# Altium PCB CHAHARDOLI-7 ADAD METAL.PcbDoc (part 9 of 11) (continued)
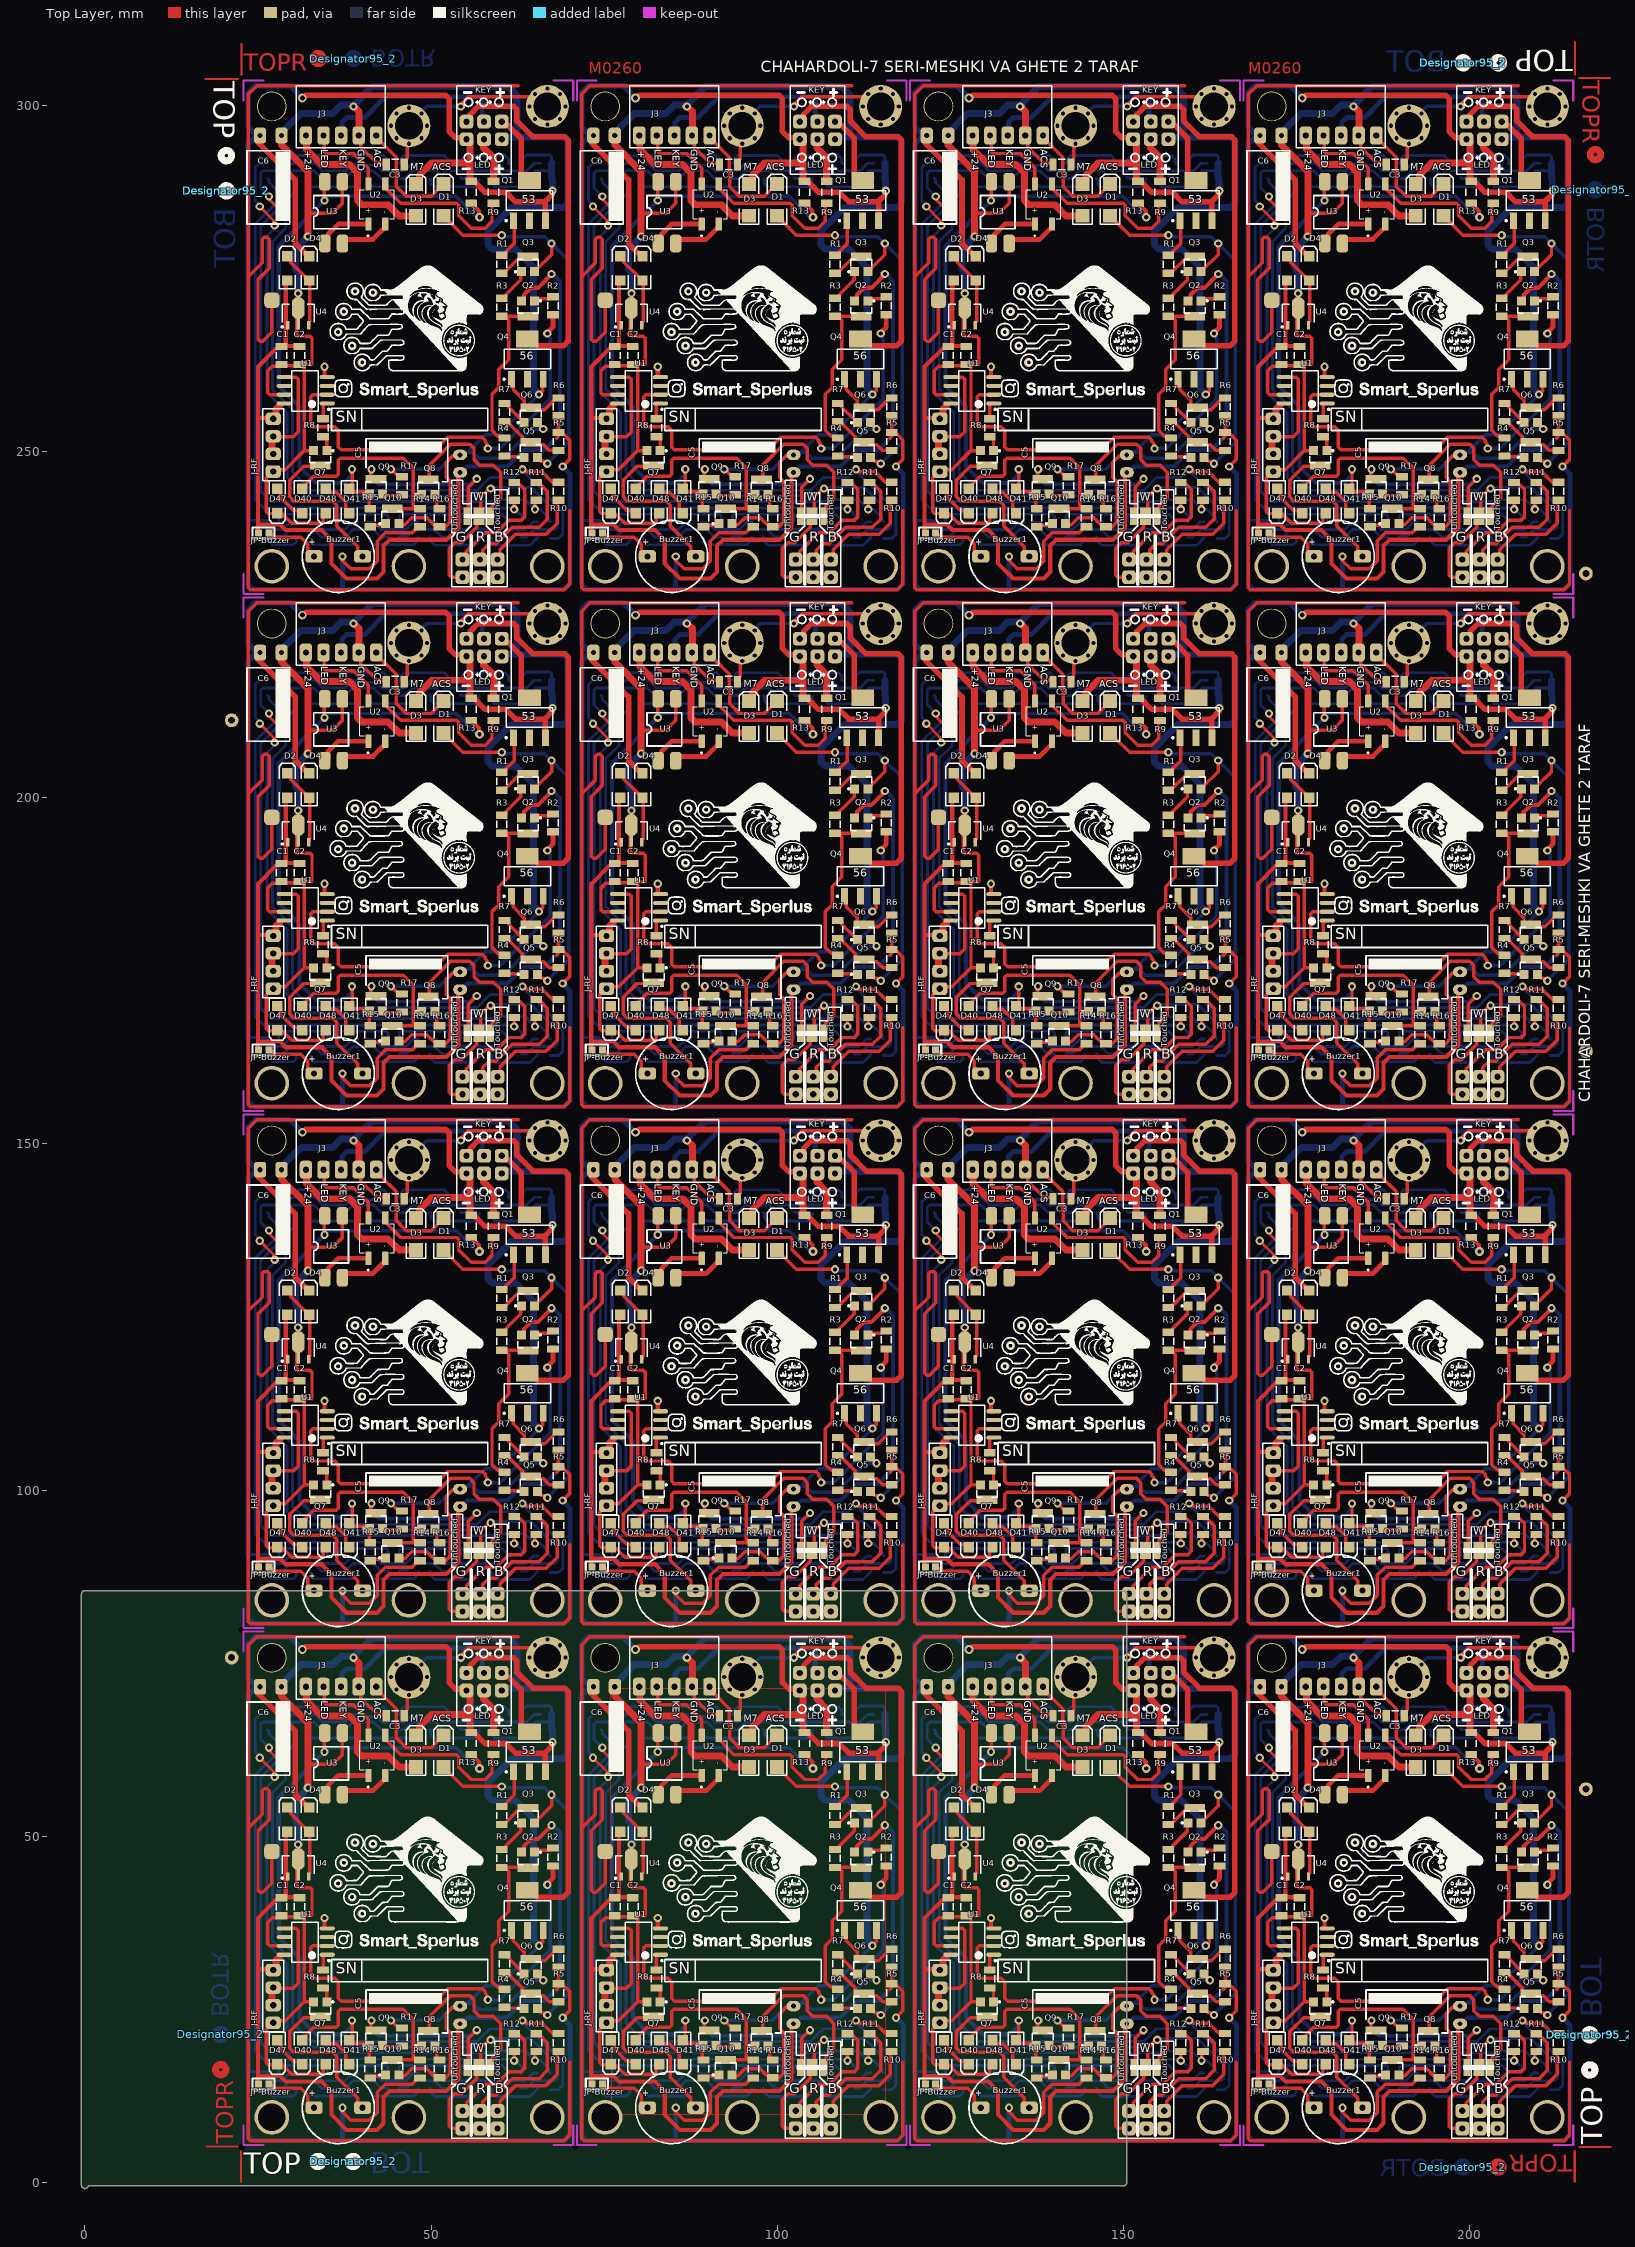
[diagram p0: Top Layer view]
## Nets (pads, with @x,y where several pads share a name; then routed paths per layer and width w, separated by ;. In a path a pad name is that pad's centre, name@x,y a point inside that pad or via, vN(x,y) a via of type N, cw(c..) or ccw(c..) an arc to the next point about the centre after c; other vN are vias at no path point) (continued)
76.391,166.276 82.911,166.276 83.145,166.042 83.145,165.176 ; 76.157,239.864 76.157,240.73 76.391,240.964 82.911,240.964 83.145,240.73 83.145,239.864 ; 76.183,67.6 76.383,67.8 76.383,68.238 76.845,68.7 82.445,68.7 82.933,68.212 82.933,67.8 83.133,67.6 ; 76.183,142.288 76.383,142.488 76.383,142.926 76.845,143.388 82.445,143.388 82.933,142.9 82.933,142.488 83.133,142.288 ; 76.183,216.976 76.383,217.176 76.383,217.614 76.845,218.076 82.445,218.076 82.933,217.588 82.933,217.176 83.133,216.976 ; 76.183,291.664 76.383,291.864 76.383,292.303 76.845,292.764 82.445,292.764 82.933,292.276 82.933,291.864 83.133,291.664 ; 76.377,65.593 76.382,65.599 77.144,65.599 78.045,66.5 81.245,66.5 82.345,65.4 82.733,65.4 ; 76.377,140.281 76.382,140.287 77.144,140.287 78.045,141.188 81.245,141.188 82.345,140.088 82.733,140.088 ; 76.377,214.97 76.382,214.975 77.144,214.975 78.045,215.876 81.245,215.876 82.345,214.776 82.733,214.776 ; 76.377,289.658 76.382,289.663 77.144,289.663 78.045,290.564 81.245,290.564 82.345,289.464 82.733,289.464 ; v1(76.745,60) 76.745,59.784 77.145,59.384 77.145,58.2 75.245,56.3 75.245,34.9 78.145,32 78.145,23 80.795,20.35 104.792,20.35 106.642,22.2 110.184,22.2 v1@111.345,23.362 ; v1(76.745,134.688) 76.745,134.472 77.145,134.072 77.145,132.888 75.245,130.988 75.245,109.588 78.145,106.688 78.145,97.688 80.795,95.038 104.792,95.038 106.642,96.888 110.184,96.888 v1@111.345,98.05 ; v1(76.745,209.376) 76.745,209.16 77.145,208.76 77.145,207.576 75.245,205.676 75.245,184.276 78.145,181.376 78.145,172.376 80.795,169.726 104.792,169.726 106.642,171.576 110.184,171.576 v1@111.345,172.738 ; v1(76.745,284.064) 76.745,283.848 77.145,283.448 77.145,282.264 75.245,280.364 75.245,258.964 78.145,256.064 78.145,247.064 80.795,244.414 104.792,244.414 106.642,246.264 110.184,246.264 v1@111.345,247.426 ; 78.733,65.4 78.565,65.232 78.565,63.517 73.545,58.497 73.545,20.22 75.015,18.75 107.295,18.75 107.545,19 111.745,19 v1(113.145,17.6) 113.945,17.6 115.157,16.388 115.157,16 115.357,15.8 ; 78.733,140.088 78.565,139.92 78.565,138.205 73.545,133.185 73.545,94.908 75.015,93.438 107.295,93.438 107.545,93.688 111.745,93.688 v1(113.145,92.288) 113.945,92.288 115.157,91.076 115.157,90.688 115.357,90.488 ; 78.733,214.776 78.565,214.608 78.565,212.893 73.545,207.873 73.545,169.596 75.015,168.126 107.295,168.126 107.545,168.376 111.745,168.376 v1(113.145,166.976) 113.945,166.976 115.157,165.764 115.157,165.376 115.357,165.176 ; 78.733,289.464 78.565,289.296 78.565,287.581 73.545,282.561 73.545,244.284 75.015,242.814 107.295,242.814 107.545,243.064 111.745,243.064 v1(113.145,241.664) 113.945,241.664 115.157,240.453 115.157,240.064 115.357,239.864 ; 80.383,67.6 81.385,67.6 82.485,66.5 85.753,66.5 86.768,67.514 87.448,67.514 87.533,67.6 ; 80.383,142.288 81.385,142.288 82.485,141.188 85.753,141.188 86.768,142.202 87.448,142.202 87.533,142.288 ; 80.383,216.976 81.385,216.976 82.485,215.876 85.753,215.876 86.768,216.89 87.447,216.89 87.533,216.976 ; 80.383,291.664 81.385,291.664 82.485,290.564 85.753,290.564 86.768,291.579 87.447,291.579 87.533,291.664 ; 80.411,65.173 80.411,64.534 80.745,64.2 86.945,64.2 87.365,64.62 87.365,65.208 87.545,65.388 ; 80.411,139.861 80.411,139.222 80.745,138.888 86.945,138.888 87.365,139.308 87.365,139.896 87.545,140.077 ; 80.411,214.549 80.411,213.911 80.745,213.576 86.945,213.576 87.365,213.996 87.365,214.584 87.545,214.765 ; 80.411,289.237 80.411,288.599 80.745,288.264 86.945,288.264 87.365,288.684 87.365,289.273 87.545,289.453 ; 80.569,15.6 80.669,15.5 81.549,15.5 82.349,14.7 85.714,14.7 86.514,15.5 87.307,15.5 87.519,15.712 87.519,15.8 ; 80.569,90.288 80.669,90.188 81.549,90.188 82.349,89.388 85.714,89.388 86.514,90.188 87.307,90.188 87.519,90.4 87.519,90.488 ; 80.569,164.976 80.669,164.876 81.549,164.876 82.349,164.076 85.714,164.076 86.514,164.876 87.307,164.876 87.519,165.088 87.519,165.176 ; 80.569,239.664 80.669,239.564 81.549,239.564 82.349,238.764 85.714,238.764 86.514,239.564 87.307,239.564 87.519,239.776 87.519,239.864 ; 80.669,13.4 80.769,13.3 80.769,12.976 81.245,12.5 86.845,12.5 87.307,12.962 87.307,13.331 87.545,13.569 ; 80.669,88.088 80.769,87.988 80.769,87.665 81.245,87.188 86.845,87.188 87.307,87.65 87.307,88.019 87.545,88.258 ; 80.669,162.776 80.769,162.676 80.769,162.353 81.245,161.876 86.845,161.876 87.307,162.338 87.307,162.707 87.545,162.946 ; 80.669,237.464 80.769,237.364 80.769,237.041 81.245,236.564 86.845,236.564 87.307,237.026 87.307,237.396 87.545,237.634 ; 84.757,13.6 85.745,13.6 86.845,14.7 88.508,14.7 89.805,14.7 90.905,13.6 91.907,13.6 ; 84.757,88.288 85.745,88.288 86.845,89.388 88.508,89.388 89.805,89.388 90.905,88.288 91.907,88.288 ; 84.757,162.976 85.745,162.976 86.845,164.076 88.508,164.076 89.805,164.076 90.905,162.976 91.907,162.976 ; 84.757,237.664 85.745,237.664 86.845,238.764 88.508,238.764 89.805,238.764 90.905,237.664 91.907,237.664 ; 84.783,214.864 84.896,214.864 84.983,214.776 85.785,214.776 86.885,215.876 89.845,215.876 90.945,214.776 91.933,214.776 ; 84.783,216.976 84.983,217.176 84.983,217.614 85.445,218.076 91.245,218.076 91.733,217.588 91.733,217.176 91.933,216.976 ; 84.783,289.552 84.896,289.552 84.983,289.464 85.785,289.464 86.885,290.564 89.845,290.564 90.945,289.464 91.933,289.464 ; 84.783,291.664 84.983,291.864 84.983,292.303 85.445,292.764 91.245,292.764 91.733,292.276 91.733,291.864 91.933,291.664 ; 84.783,65.488 84.896,65.488 84.983,65.4 85.785,65.4 86.885,66.5 89.845,66.5 90.945,65.4 91.933,65.4 ; 84.783,67.6 84.983,67.8 84.983,68.238 85.445,68.7 91.245,68.7 91.733,68.212 91.733,67.8 91.933,67.6 ; 84.783,140.176 84.896,140.176 84.983,140.088 85.785,140.088 86.885,141.188 89.845,141.188 90.945,140.088 91.933,140.088 ; 84.783,142.288 84.983,142.488 84.983,142.926 85.445,143.388 91.245,143.388 91.733,142.9 91.733,142.488 91.933,142.288 ; 84.795,15.8 84.795,16.666 85.029,16.9 91.673,16.9 91.907,16.666 91.907,15.8 ; 84.795,90.488 84.795,91.354 85.029,91.588 91.673,91.588 91.907,91.354 91.907,90.488 ; 84.795,165.176 84.795,166.042 85.029,166.276 91.673,166.276 91.907,166.042 91.907,165.176 ; 84.795,239.864 84.795,240.73 85.029,240.964 91.673,240.964 91.907,240.73 91.907,239.864 ; 88.957,15.8 89.043,15.714 ; 88.957,90.488 89.043,90.402 ; 88.957,165.176 89.043,165.09 ; 88.957,239.864 89.043,239.779 ; 88.983,67.3 90.245,67.3 91.045,66.5 94.314,66.5 95.409,67.596 96.341,67.596 ; 88.983,141.988 90.245,141.988 91.045,141.188 94.314,141.188 95.409,142.284 96.341,142.284 ; 88.983,216.676 90.245,216.676 91.045,215.876 94.314,215.876 95.409,216.972 96.341,216.972 ; 88.983,291.364 90.245,291.364 91.045,290.564 94.314,290.564 95.409,291.66 96.341,291.66 ; 89.169,13.6 89.357,13.412 89.357,12.988 89.845,12.5 95.645,12.5 96.107,12.962 96.107,13.3 96.327,13.52 96.344,13.52 ; 89.169,88.288 89.357,88.1 89.357,87.676 89.845,87.188 95.645,87.188 96.107,87.65 96.107,87.988 96.327,88.208 96.344,88.208 ; 89.169,162.976 89.357,162.788 89.357,162.364 89.845,161.876 95.645,161.876 96.107,162.338 96.107,162.676 96.327,162.897 96.344,162.897 ; 89.169,237.664 89.357,237.476 89.357,237.053 89.845,236.564 95.645,236.564 96.107,237.026 96.107,237.364 96.327,237.585 96.344,237.585 ; 89.183,65.4 89.345,65.238 89.345,64.6 89.745,64.2 95.745,64.2 96.145,64.6 96.145,65.1 96.277,65.232 96.365,65.232 ; 89.183,140.088 89.345,139.926 89.345,139.288 89.745,138.888 95.745,138.888 96.145,139.288 96.145,139.788 96.277,139.92 96.365,139.92 ; 89.183,214.776 89.345,214.614 89.345,213.976 89.745,213.576 95.745,213.576 96.145,213.976 96.145,214.476 96.277,214.608 96.365,214.608 ; 89.183,289.464 89.345,289.303 89.345,288.664 89.745,288.264 95.745,288.264 96.145,288.664 96.145,289.164 96.277,289.296 96.365,289.296 ; 89.243,15.714 89.923,15.714 90.937,14.7 94.527,14.7 95.627,15.8 96.307,15.8 ; 89.243,90.402 89.923,90.402 90.937,89.388 94.527,89.388 95.627,90.488 96.307,90.488 ; 89.243,165.09 89.923,165.09 90.937,164.076 94.527,164.076 95.627,165.176 96.307,165.176 ; 89.243,239.779 89.923,239.779 90.937,238.764 94.527,238.764 95.627,239.864 96.307,239.864 ; 93.557,13.6 93.721,13.764 94.723,13.764 95.658,14.7 97.826,14.7 98.605,14.7 99.702,13.604 100.703,13.604 100.707,13.6 ; 93.557,15.8 93.557,16.666 93.791,16.9 100.473,16.9 100.707,16.666 100.707,15.8 ; 93.557,88.288 93.721,88.452 94.723,88.452 95.658,89.388 97.826,89.388 98.605,89.388 99.702,88.292 100.703,88.292 100.707,88.288 ; 93.557,90.488 93.557,91.354 93.791,91.588 100.473,91.588 100.707,91.354 100.707,90.488 ; 93.557,162.976 93.721,163.14 94.723,163.14 95.658,164.076 97.826,164.076 98.605,164.076 99.702,162.98 100.703,162.98 100.707,162.976 ; 93.557,165.176 93.557,166.042 93.791,166.276 100.473,166.276 100.707,166.042 100.707,165.176 ; 93.557,237.664 93.721,237.829 94.723,237.829 95.658,238.764 97.826,238.764 98.605,238.764 99.702,237.668 100.703,237.668 100.707,237.664 ; 93.557,239.864 93.557,240.73 93.791,240.964 100.473,240.964 100.707,240.73 100.707,239.864 ; 93.583,65.4 93.587,65.404 94.349,65.404 95.445,66.5 98.845,66.5 99.945,65.4 100.733,65.4 ; 93.583,67.6 93.783,67.8 93.783,68.238 94.245,68.7 100.045,68.7 100.533,68.212 100.533,67.8 100.733,67.6 ; 93.583,140.088 93.587,140.092 94.349,140.092 95.445,141.188 98.845,141.188 99.945,140.088 100.733,140.088 ; 93.583,142.288 93.783,142.488 93.783,142.926 94.245,143.388 100.045,143.388 100.533,142.9 100.533,142.488 100.733,142.288 ; 93.583,214.776 93.587,214.78 94.349,214.78 95.445,215.876 98.845,215.876 99.945,214.776 100.733,214.776 ; 93.583,216.976 93.783,217.176 93.783,217.614 94.245,218.076 100.045,218.076 100.533,217.588 100.533,217.176 100.733,216.976 ; 93.583,289.464 93.587,289.468 94.349,289.468 95.445,290.564 98.845,290.564 99.945,289.464 100.733,289.464 ; 93.583,291.664 93.783,291.864 93.783,292.303 94.245,292.764 100.045,292.764 100.533,292.276 100.533,291.864 100.733,291.664 ; 97.957,13.6 98.157,13.4 98.157,12.988 98.745,12.4 104.345,12.4 104.907,12.962 104.907,13.469 105.145,13.707 ; 97.957,15.8 98.745,15.8 99.845,14.7 103.245,14.7 104.345,15.8 104.707,15.8 ; 97.957,88.288 98.157,88.088 98.157,87.676 98.745,87.088 104.345,87.088 104.907,87.65 104.907,88.157 105.145,88.395 ; 97.957,90.488 98.745,90.488 99.845,89.388 103.245,89.388 104.345,90.488 104.707,90.488 ; 97.957,162.976 98.157,162.776 98.157,162.364 98.745,161.776 104.345,161.776 104.907,162.338 104.907,162.845 105.145,163.083 ; 97.957,165.176 98.745,165.176 99.845,164.076 103.245,164.076 104.345,165.176 104.707,165.176 ; 97.957,237.664 98.157,237.464 98.157,237.053 98.745,236.464 104.345,236.464 104.907,237.026 104.907,237.533 105.145,237.772 ; 97.957,239.864 98.745,239.864 99.845,238.764 103.245,238.764 104.345,239.864 104.707,239.864 ; 97.983,65.4 98.145,65.238 98.145,64.6 98.545,64.2 104.545,64.2 104.965,64.62 104.965,65.132 105.117,65.284 ; 97.983,140.088 98.145,139.926 98.145,139.288 98.545,138.888 104.545,138.888 104.965,139.308 104.965,139.82 105.117,139.972 ; 97.983,214.776 98.145,214.614 98.145,213.976 98.545,213.576 104.545,213.576 104.965,213.996 104.965,214.508 105.117,214.66 ; 97.983,289.464 98.145,289.303 98.145,288.664 98.545,288.264 104.545,288.264 104.965,288.684 104.965,289.196 105.117,289.348 ; 98.183,67.6 98.187,67.596 98.949,67.596 100.045,66.5 103.353,66.5 104.153,67.3 104.933,67.3 105.264,67.63 ; 98.183,142.288 98.187,142.284 98.949,142.284 100.045,141.188 103.353,141.188 104.153,141.988 104.933,141.988 105.264,142.318 ; 98.183,216.976 98.187,216.972 98.949,216.972 100.045,215.876 103.353,215.876 104.153,216.676 104.933,216.676 105.264,217.006 ; 98.183,291.664 98.187,291.66 98.949,291.66 100.045,290.564 103.353,290.564 104.153,291.364 104.933,291.364 105.264,291.695 ; 102.357,13.6 103.358,13.6 104.458,14.7 107.445,14.7 108.545,13.6 109.507,13.6 ; 102.357,15.8 102.44,15.883 102.44,16.666 102.674,16.9 108.407,16.9 109.207,16.1 109.307,16.1 109.507,15.9 109.507,15.8 ; 102.357,88.288 103.358,88.288 104.458,89.388 107.445,89.388 108.545,88.288 109.507,88.288 ; 102.357,90.488 102.44,90.571 102.44,91.354 102.674,91.588 108.407,91.588 109.207,90.788 109.307,90.788 109.507,90.588 109.507,90.488 ; 102.357,162.976 103.358,162.976 104.458,164.076 107.445,164.076 108.545,162.976 109.507,162.976 ; 102.357,165.176 102.44,165.259 102.44,166.042 102.674,166.276 108.407,166.276 109.207,165.476 109.307,165.476 109.507,165.276 109.507,165.176 ; 102.357,237.664 103.358,237.664 104.458,238.764 107.445,238.764 108.545,237.664 109.507,237.664 ; 102.357,239.864 102.44,239.947 102.44,240.73 102.674,240.964 108.407,240.964 109.207,240.164 109.307,240.164 109.507,239.964 109.507,239.864 ; 102.383,67.6 102.583,67.8 102.583,68.238 103.045,68.7 108.845,68.7 109.333,68.212 109.333,67.6 109.417,67.516 ; 102.383,142.288 102.583,142.488 102.583,142.926 103.045,143.388 108.845,143.388 109.333,142.9 109.333,142.288 109.417,142.204 ; 102.383,216.976 102.583,217.176 102.583,217.614 103.045,218.076 108.845,218.076 109.333,217.588 109.333,216.976 109.417,216.892 ; 102.383,291.664 102.583,291.864 102.583,292.303 103.045,292.764 108.845,292.764 109.333,292.276 109.333,291.664 109.417,291.58 ; 102.387,65.504 102.479,65.504 102.583,65.4 103.385,65.4 104.485,66.5 107.753,66.5 108.653,65.6 109.333,65.6 109.533,65.4 ; 102.387,140.192 102.479,140.192 102.583,140.088 103.385,140.088 104.485,141.188 107.753,141.188 108.653,140.288 109.333,140.288 109.533,140.088 ; 102.387,214.88 102.479,214.88 102.583,214.776 103.385,214.776 104.485,215.876 107.753,215.876 108.653,214.976 109.333,214.976 109.533,214.776 ; 102.387,289.568 102.479,289.568 102.583,289.464 103.385,289.464 104.485,290.564 107.753,290.564 108.653,289.664 109.333,289.664 109.533,289.464 ; 106.757,13.6 106.957,13.4 106.957,12.988 107.545,12.4 112.407,12.4 113.507,13.5 113.507,13.6 ; 106.757,15.8 107.745,15.8 108.845,14.7 111.805,14.7 112.905,15.8 113.507,15.8 ; 106.757,88.288 106.957,88.088 106.957,87.676 107.545,87.088 112.407,87.088 113.507,88.188 113.507,88.288 ; 106.757,90.488 107.745,90.488 108.845,89.388 111.805,89.388 112.905,90.488 113.507,90.488 ; 106.757,162.976 106.957,162.776 106.957,162.364 107.545,161.776 112.407,161.776 113.507,162.876 113.507,162.976 ; 106.757,165.176 107.745,165.176 108.845,164.076 111.805,164.076 112.905,165.176 113.507,165.176 ; 106.757,237.664 106.957,237.464 106.957,237.053 107.545,236.464 112.407,236.464 113.507,237.564 113.507,237.664 ; 106.757,239.864 107.745,239.864 108.845,238.764 111.805,238.764 112.905,239.864 113.507,239.864 ; 106.783,65.4 106.938,65.245 106.938,64.607 107.345,64.2 113.345,64.2 113.765,64.62 113.765,65.29 113.945,65.47 ; 106.783,67.4 106.983,67.6 107.785,67.6 108.885,66.5 111.953,66.5 113.053,67.6 113.933,67.6 ; 106.783,140.088 106.938,139.933 106.938,139.295 107.345,138.888 113.345,138.888 113.765,139.308 113.765,139.978 113.945,140.158 ; 106.783,142.088 106.983,142.288 107.785,142.288 108.885,141.188 111.953,141.188 113.053,142.288 113.933,142.288 ; 106.783,214.776 106.938,214.621 106.938,213.983 107.345,213.576 113.345,213.576 113.765,213.996 113.765,214.666 113.945,214.846 ; 106.783,216.776 106.983,216.976 107.785,216.976 108.885,215.876 111.953,215.876 113.053,216.976 113.933,216.976 ; 106.783,289.464 106.938,289.309 106.938,288.671 107.345,288.264 113.345,288.264 113.765,288.684 113.765,289.354 113.945,289.534 ; 106.783,291.464 106.983,291.664 107.785,291.664 108.885,290.564 111.953,290.564 113.053,291.664 113.933,291.664 ; v1@106.801,20.544 107.056,20.8 112.545,20.8 116.357,16.988 116.357,15.051 116.005,14.7 113.008,14.7 111.908,13.6 111.157,13.6 ; v1@106.801,95.232 107.056,95.488 112.545,95.488 116.357,91.676 116.357,89.74 116.005,89.388 113.008,89.388 111.908,88.288 111.157,88.288 ; v1@106.801,169.921 107.056,170.176 112.545,170.176 116.357,166.364 116.357,164.428 116.005,164.076 113.008,164.076 111.908,162.976 111.157,162.976 ; v1@106.801,244.609 107.056,244.864 112.545,244.864 116.357,241.053 116.357,239.116 116.005,238.764 113.008,238.764 111.908,237.664 111.157,237.664 ; 111.183,67.6 111.383,67.8 111.383,68.238 111.945,68.8 115.311,68.8 115.545,68.566 115.545,67.638 115.583,67.6 ; 111.183,142.288 111.383,142.488 111.383,142.926 111.945,143.488 115.311,143.488 115.545,143.254 115.545,142.326 115.583,142.288 ; 111.183,216.976 111.383,217.176 111.383,217.614 111.945,218.176 115.311,218.176 115.545,217.942 115.545,217.014 115.583,216.976 ; 111.183,291.664 111.383,291.864 111.383,292.303 111.945,292.864 115.311,292.864 115.545,292.63 115.545,291.703 115.583,291.664 ; v1(111.364,23.381) v1@111.345,23.362 ; v1(111.364,98.069) v1@111.345,98.05 ; v1(111.364,172.757) v1@111.345,172.738 ; v1(111.364,247.445) v1@111.345,247.426 ; 111.583,65.4 111.587,65.404 112.149,65.404 113.245,66.5 115.545,66.5 115.583,66.5 115.583,65.4 ; 111.583,140.088 111.587,140.092 112.149,140.092 113.245,141.188 115.545,141.188 115.583,141.188 115.583,140.088 ; 111.583,214.776 111.587,214.78 112.149,214.78 113.245,215.876 115.545,215.876 115.583,215.876 115.583,214.776 ; 111.583,289.464 111.587,289.468 112.149,289.468 113.245,290.564 115.545,290.564 115.583,290.564 115.583,289.464 ; 115.357,13.4 116.545,13.4 117.157,14.012 117.157,17.388 111.345,23.2 v1@111.345,23.362 ; 115.357,88.088 116.545,88.088 117.157,88.7 117.157,92.076 111.345,97.888 v1@111.345,98.05 ; 115.357,162.776 116.545,162.776 117.157,163.388 117.157,166.764 111.345,172.576 v1@111.345,172.738 ; 115.357,237.464 116.545,237.464 117.157,238.076 117.157,241.453 111.345,247.264 v1@111.345,247.426 ; 119.89,16 122.49,16 122.69,15.8 122.69,14.934 ; 119.89,90.688 122.49,90.688 122.69,90.488 122.69,89.622 ; 119.89,165.376 122.49,165.376 122.69,165.176 122.69,164.311 ; 119.89,240.064 122.49,240.064 122.69,239.864 122.69,238.999 ; v1(121.54,61.336) 121.54,61.552 120.878,62.214 120.878,66.966 121.524,67.612 122.666,67.612 122.678,67.6 ; v1(121.54,136.024) 121.54,136.241 120.878,136.902 120.878,141.654 121.524,142.3 122.666,142.3 122.678,142.288 ; v1(121.54,210.712) 121.54,210.929 120.878,211.59 120.878,216.342 121.524,216.988 122.666,216.988 122.678,216.976 ; v1(121.54,285.4) 121.54,285.617 120.878,286.279 120.878,291.03 121.524,291.676 122.666,291.676 122.678,291.664 ; 122.452,13.6 122.652,13.4 122.652,13.238 122.852,13.038 123.39,12.5 126.39,12.5 126.864,12.974 126.864,13.334 127.09,13.56 ; 122.452,88.288 122.652,88.088 122.652,87.926 122.852,87.726 123.39,87.188 126.39,87.188 126.864,87.662 126.864,88.022 127.09,88.249 ; 122.452,162.976 122.652,162.776 122.652,162.614 122.852,162.414 123.39,161.876 126.39,161.876 126.864,162.35 126.864,162.71 127.09,162.937 ; 122.452,237.664 122.652,237.464 122.652,237.303 122.852,237.103 123.39,236.564 126.39,236.564 126.864,237.038 126.864,237.398 127.09,237.625 ; 122.652,13.6 122.652,15.8 ; 122.652,88.288 122.652,90.488 ; 122.652,162.976 122.652,165.176 ; 122.652,237.664 122.652,239.864 ; 122.678,65.4 122.878,65.2 122.878,64.812 124.09,63.6 124.09,62.028 120.89,58.828 120.89,19 122.09,17.8 157.656,17.8 157.703,17.753 158.02,17.753 158.173,17.6 v1(158.29,17.6) 158.49,17.6 159.425,16.666 159.425,15.923 159.302,15.8 ; 122.678,140.088 122.878,139.888 122.878,139.5 124.09,138.288 124.09,136.717 120.89,133.517 120.89,93.688 122.09,92.488 157.656,92.488 157.703,92.441 158.02,92.441 158.173,92.288 v1(158.29,92.288) 158.49,92.288 159.425,91.354 159.425,90.611 159.302,90.488 ; 122.678,214.776 122.878,214.576 122.878,214.188 124.09,212.976 124.09,211.405 120.89,208.205 120.89,168.376 122.09,167.176 157.656,167.176 157.703,167.129 158.02,167.129 158.173,166.976 v1(158.29,166.976) 158.49,166.976 159.425,166.042 159.425,165.299 159.302,165.176 ; 122.678,289.464 122.878,289.264 122.878,288.876 124.09,287.664 124.09,286.093 120.89,282.893 120.89,243.064 122.09,241.864 157.656,241.864 157.703,241.817 158.02,241.817 158.173,241.664 v1(158.29,241.664) 158.49,241.664 159.425,240.73 159.425,239.987 159.302,239.864 ; 122.69,14.7 124.79,14.7 125.89,15.8 126.852,15.8 127.064,15.8 ; 122.69,89.388 124.79,89.388 125.89,90.488 126.852,90.488 127.064,90.488 ; 122.69,164.076 124.79,164.076 125.89,165.176 126.852,165.176 127.064,165.176 ; 122.69,238.764 124.79,238.764 125.89,239.864 126.852,239.864 127.064,239.864 ; v1(122.89,62.8) 121.678,64.012 121.678,66.188 121.99,66.5 125.059,66.5 126.113,67.554 126.678,67.554 126.678,67.6 ; v1(122.89,137.488) 121.678,138.7 121.678,140.876 121.99,141.188 125.059,141.188 126.113,142.242 126.678,142.242 126.678,142.288 ; v1(122.89,212.176) 121.678,213.388 121.678,215.564 121.99,215.876 125.059,215.876 126.113,216.93 126.678,216.93 126.678,216.976 ; v1(122.89,286.864) 121.678,288.076 121.678,290.253 121.99,290.564 125.059,290.564 126.113,291.618 126.678,291.618 126.678,291.664 ; v1(123.69,58.6) 123.537,58.447 123.537,58.047 122.59,57.1 122.59,34.5 125.49,31.6 125.49,22.2 128.14,19.55 153.66,19.55 154.71,20.6 v1(154.89,20.6) ; v1(123.69,133.288) 123.537,133.135 123.537,132.735 122.59,131.788 122.59,109.188 125.49,106.288 125.49,96.888 128.14,94.238 153.66,94.238 154.71,95.288 v1(154.89,95.288) ; v1(123.69,207.976) 123.537,207.823 123.537,207.423 122.59,206.476 122.59,183.876 125.49,180.976 125.49,171.576 128.14,168.926 153.66,168.926 154.71,169.976 v1(154.89,169.976) ; v1(123.69,282.664) 123.537,282.511 123.537,282.111 122.59,281.164 122.59,258.564 125.49,255.664 125.49,246.264 128.14,243.614 153.66,243.614 154.71,244.664 v1(154.89,244.664) ; 124.102,13.6 124.89,13.6 125.99,14.7 129.362,14.7 130.458,13.604 131.248,13.604 131.252,13.6 ; 124.102,88.288 124.89,88.288 125.99,89.388 129.362,89.388 130.458,88.292 131.248,88.292 131.252,88.288 ; 124.102,162.976 124.89,162.976 125.99,164.076 129.362,164.076 130.458,162.98 131.248,162.98 131.252,162.976 ; 124.102,237.664 124.89,237.664 125.99,238.764 129.362,238.764 130.458,237.668 131.248,237.668 131.252,237.664 ; 124.302,15.8 124.302,16.666 124.536,16.9 131.056,16.9 131.29,16.666 131.29,15.8 ; 124.302,90.488 124.302,91.354 124.536,91.588 131.056,91.588 131.29,91.354 131.29,90.488 ; 124.302,165.176 124.302,166.042 124.536,166.276 131.056,166.276 131.29,166.042 131.29,165.176 ; 124.302,239.864 124.302,240.73 124.536,240.964 131.056,240.964 131.29,240.73 131.29,239.864 ; 124.328,67.6 124.528,67.8 124.528,68.238 124.99,68.7 130.59,68.7 131.078,68.212 131.078,67.8 131.278,67.6 ; 124.328,142.288 124.528,142.488 124.528,142.926 124.99,143.388 130.59,143.388 131.078,142.9 131.078,142.488 131.278,142.288 ; 124.328,216.976 124.528,217.176 124.528,217.614 124.99,218.076 130.59,218.076 131.078,217.588 131.078,217.176 131.278,216.976 ; 124.328,291.664 124.528,291.864 124.528,292.303 124.99,292.764 130.59,292.764 131.078,292.276 131.078,291.864 131.278,291.664 ; 124.522,65.593 124.527,65.599 125.289,65.599 126.19,66.5 129.39,66.5 130.49,65.4 130.878,65.4 ; 124.522,140.281 124.527,140.287 125.289,140.287 126.19,141.188 129.39,141.188 130.49,140.088 130.878,140.088 ; 124.522,214.97 124.527,214.975 125.289,214.975 126.19,215.876 129.39,215.876 130.49,214.776 130.878,214.776 ; 124.522,289.658 124.527,289.663 125.289,289.663 126.19,290.564 129.39,290.564 130.49,289.464 130.878,289.464 ; v1(124.89,60) 124.89,59.784 125.29,59.384 125.29,58.2 123.39,56.3 123.39,34.9 126.29,32 126.29,23 128.94,20.35 152.937,20.35 154.787,22.2 158.329,22.2 v1@159.49,23.362 ; v1(124.89,134.688) 124.89,134.472 125.29,134.072 125.29,132.888 123.39,130.988 123.39,109.588 126.29,106.688 126.29,97.688 128.94,95.038 152.937,95.038 154.787,96.888 158.329,96.888 v1@159.49,98.05 ; v1(124.89,209.376) 124.89,209.16 125.29,208.76 125.29,207.576 123.39,205.676 123.39,184.276 126.29,181.376 126.29,172.376 128.94,169.726 152.937,169.726 154.787,171.576 158.329,171.576 v1@159.49,172.738 ; v1(124.89,284.064) 124.89,283.848 125.29,283.448 125.29,282.264 123.39,280.364 123.39,258.964 126.29,256.064 126.29,247.064 128.94,244.414 152.937,244.414 154.787,246.264 158.329,246.264 v1@159.49,247.426 ; 126.878,65.4 126.71,65.232 126.71,63.517 121.69,58.497 121.69,20.22 123.16,18.75 155.44,18.75 155.69,19 159.89,19 v1(161.29,17.6) 162.09,17.6 163.302,16.388 163.302,16 163.502,15.8 ; 126.878,140.088 126.71,139.92 126.71,138.205 121.69,133.185 121.69,94.908 123.16,93.438 155.44,93.438 155.69,93.688 159.89,93.688 v1(161.29,92.288) 162.09,92.288 163.302,91.076 163.302,90.688 163.502,90.488 ; 126.878,214.776 126.71,214.608 126.71,212.893 121.69,207.873 121.69,169.596 123.16,168.126 155.44,168.126 155.69,168.376 159.89,168.376 v1(161.29,166.976) 162.09,166.976 163.302,165.764 163.302,165.376 163.502,165.176 ; 126.878,289.464 126.71,289.296 126.71,287.581 121.69,282.561 121.69,244.284 123.16,242.814 155.44,242.814 155.69,243.064 159.89,243.064 v1(161.29,241.664) 162.09,241.664 163.302,240.453 163.302,240.064 163.502,239.864 ; 128.528,67.6 129.53,67.6 130.63,66.5 133.899,66.5 134.913,67.514 135.593,67.514 135.678,67.6 ; 128.528,142.288 129.53,142.288 130.63,141.188 133.899,141.188 134.913,142.202 135.593,142.202 135.678,142.288 ; 128.528,216.976 129.53,216.976 130.63,215.876 133.899,215.876 134.913,216.89 135.593,216.89 135.678,216.976 ; 128.528,291.664 129.53,291.664 130.63,290.564 133.898,290.564 134.913,291.579 135.593,291.579 135.678,291.664 ; 128.556,65.173 128.556,64.534 128.89,64.2 135.09,64.2 135.51,64.62 135.51,65.208 135.69,65.388 ; 128.556,139.861 128.556,139.222 128.89,138.888 135.09,138.888 135.51,139.308 135.51,139.896 135.69,140.077 ; 128.556,214.549 128.556,213.911 128.89,213.576 135.09,213.576 135.51,213.996 135.51,214.584 135.69,214.765 ; 128.556,289.237 128.556,288.599 128.89,288.264 135.09,288.264 135.51,288.684 135.51,289.273 135.69,289.453 ; 128.714,15.6 128.814,15.5 129.694,15.5 130.494,14.7 133.859,14.7 134.659,15.5 135.452,15.5 135.664,15.712 135.664,15.8 ; 128.714,90.288 128.814,90.188 129.694,90.188 130.494,89.388 133.859,89.388 134.659,90.188 135.452,90.188 135.664,90.4 135.664,90.488 ; 128.714,164.976 128.814,164.876 129.694,164.876 130.494,164.076 133.859,164.076 134.659,164.876 135.452,164.876 135.664,165.088 135.664,165.176 ; 128.714,239.664 128.814,239.564 129.694,239.564 130.494,238.764 133.859,238.764 134.659,239.564 135.452,239.564 135.664,239.776 135.664,239.864 ; 128.814,13.4 128.914,13.3 128.914,12.976 129.39,12.5 134.99,12.5 135.452,12.962 135.452,13.331 135.69,13.569 ; 128.814,88.088 128.914,87.988 128.914,87.665 129.39,87.188 134.99,87.188 135.452,87.65 135.452,88.019 135.69,88.258 ; 128.814,162.776 128.914,162.676 128.914,162.353 129.39,161.876 134.99,161.876 135.452,162.338 135.452,162.707 135.69,162.946 ; 128.814,237.464 128.914,237.364 128.914,237.041 129.39,236.564 134.99,236.564 135.452,237.026 135.452,237.396 135.69,237.634 ; 132.902,13.6 133.89,13.6 134.99,14.7 136.653,14.7 137.951,14.7 139.051,13.6 140.052,13.6 ; 132.902,88.288 133.89,88.288 134.99,89.388 136.653,89.388 137.951,89.388 139.051,88.288 140.052,88.288 ; 132.902,162.976 133.89,162.976 134.99,164.076 136.653,164.076 137.951,164.076 139.051,162.976 140.052,162.976 ; 132.902,237.664 133.89,237.664 134.99,238.764 136.653,238.764 137.951,238.764 139.051,237.664 140.052,237.664 ; 132.928,65.488 133.041,65.488 133.128,65.4 133.93,65.4 135.03,66.5 137.99,66.5 139.09,65.4 140.078,65.4 ; 132.928,67.6 133.128,67.8 133.128,68.238 133.59,68.7 139.39,68.7 139.878,68.212 139.878,67.8 140.078,67.6 ; 132.928,140.176 133.041,140.176 133.128,140.088 133.93,140.088 135.03,141.188 137.99,141.188 139.09,140.088 140.078,140.088 ; 132.928,142.288 133.128,142.488 133.128,142.926 133.59,143.388 139.39,143.388 139.878,142.9 139.878,142.488 140.078,142.288 ; 132.928,214.864 133.041,214.864 133.128,214.776 133.93,214.776 135.03,215.876 137.99,215.876 139.09,214.776 140.078,214.776 ; 132.928,216.976 133.128,217.176 133.128,217.614 133.59,218.076 139.39,218.076 139.878,217.588 139.878,217.176 140.078,216.976 ; 132.928,289.552 133.041,289.552 133.128,289.464 133.93,289.464 135.03,290.564 137.99,290.564 139.09,289.464 140.078,289.464 ; 132.928,291.664 133.128,291.864 133.128,292.303 133.59,292.764 139.39,292.764 139.878,292.276 139.878,291.864 140.078,291.664 ; 132.94,15.8 132.94,16.666 133.175,16.9 139.818,16.9 140.052,16.666 140.052,15.8 ; 132.94,90.488 132.94,91.354 133.175,91.588 139.818,91.588 140.052,91.354 140.052,90.488